# KiCad board PDNode_Baseboard.kicad_pcb
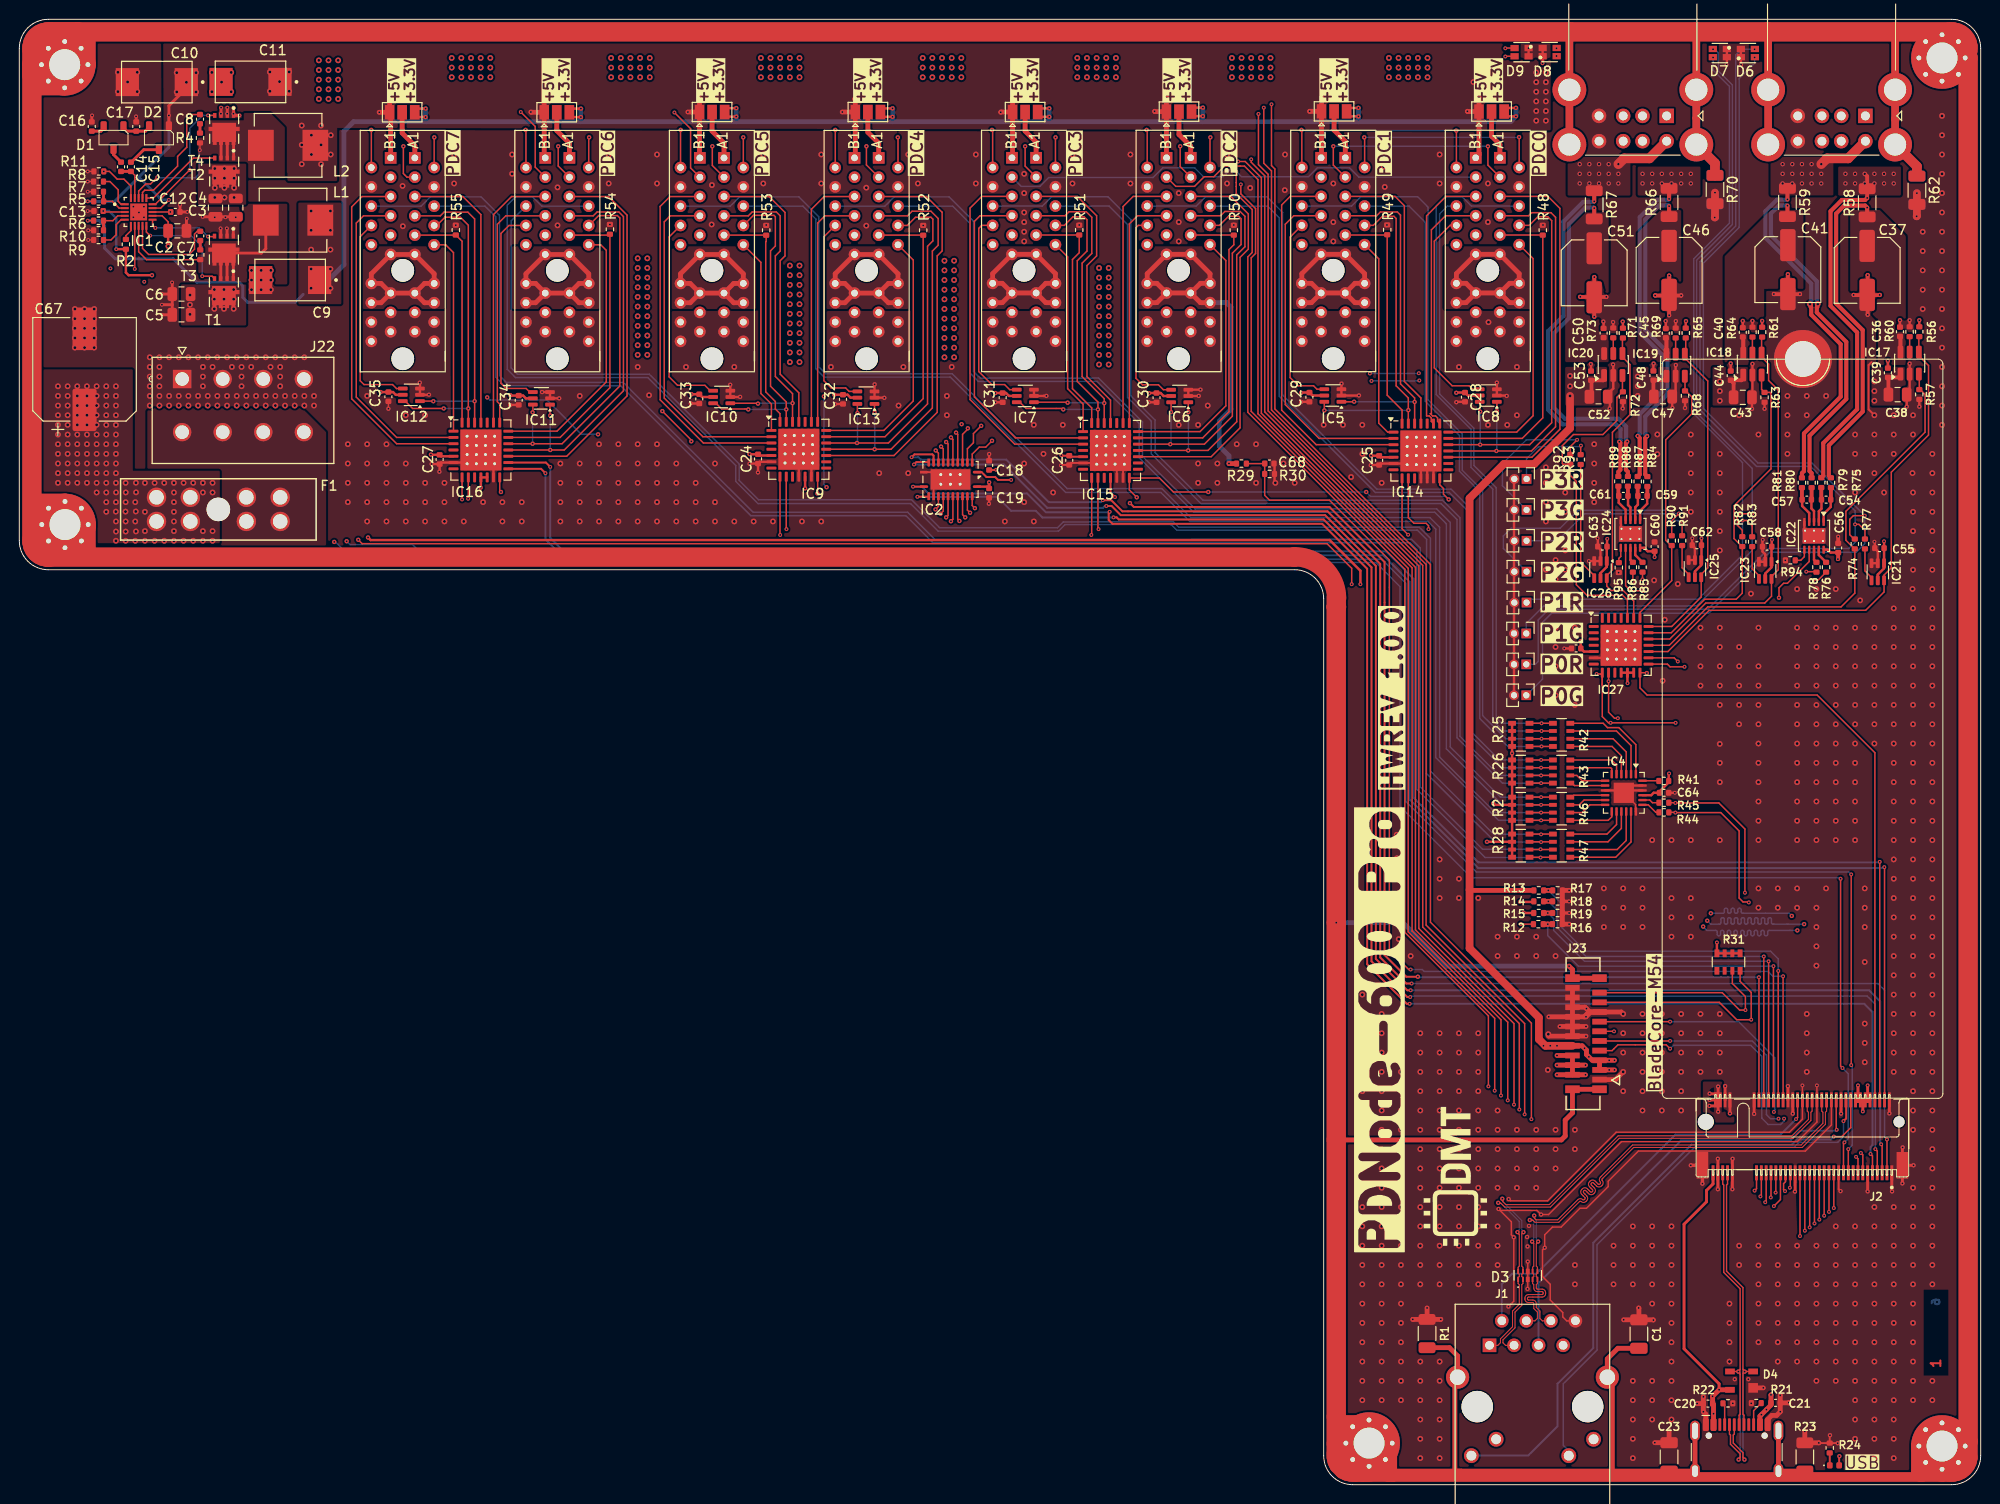
[diagram p0: board, top side]
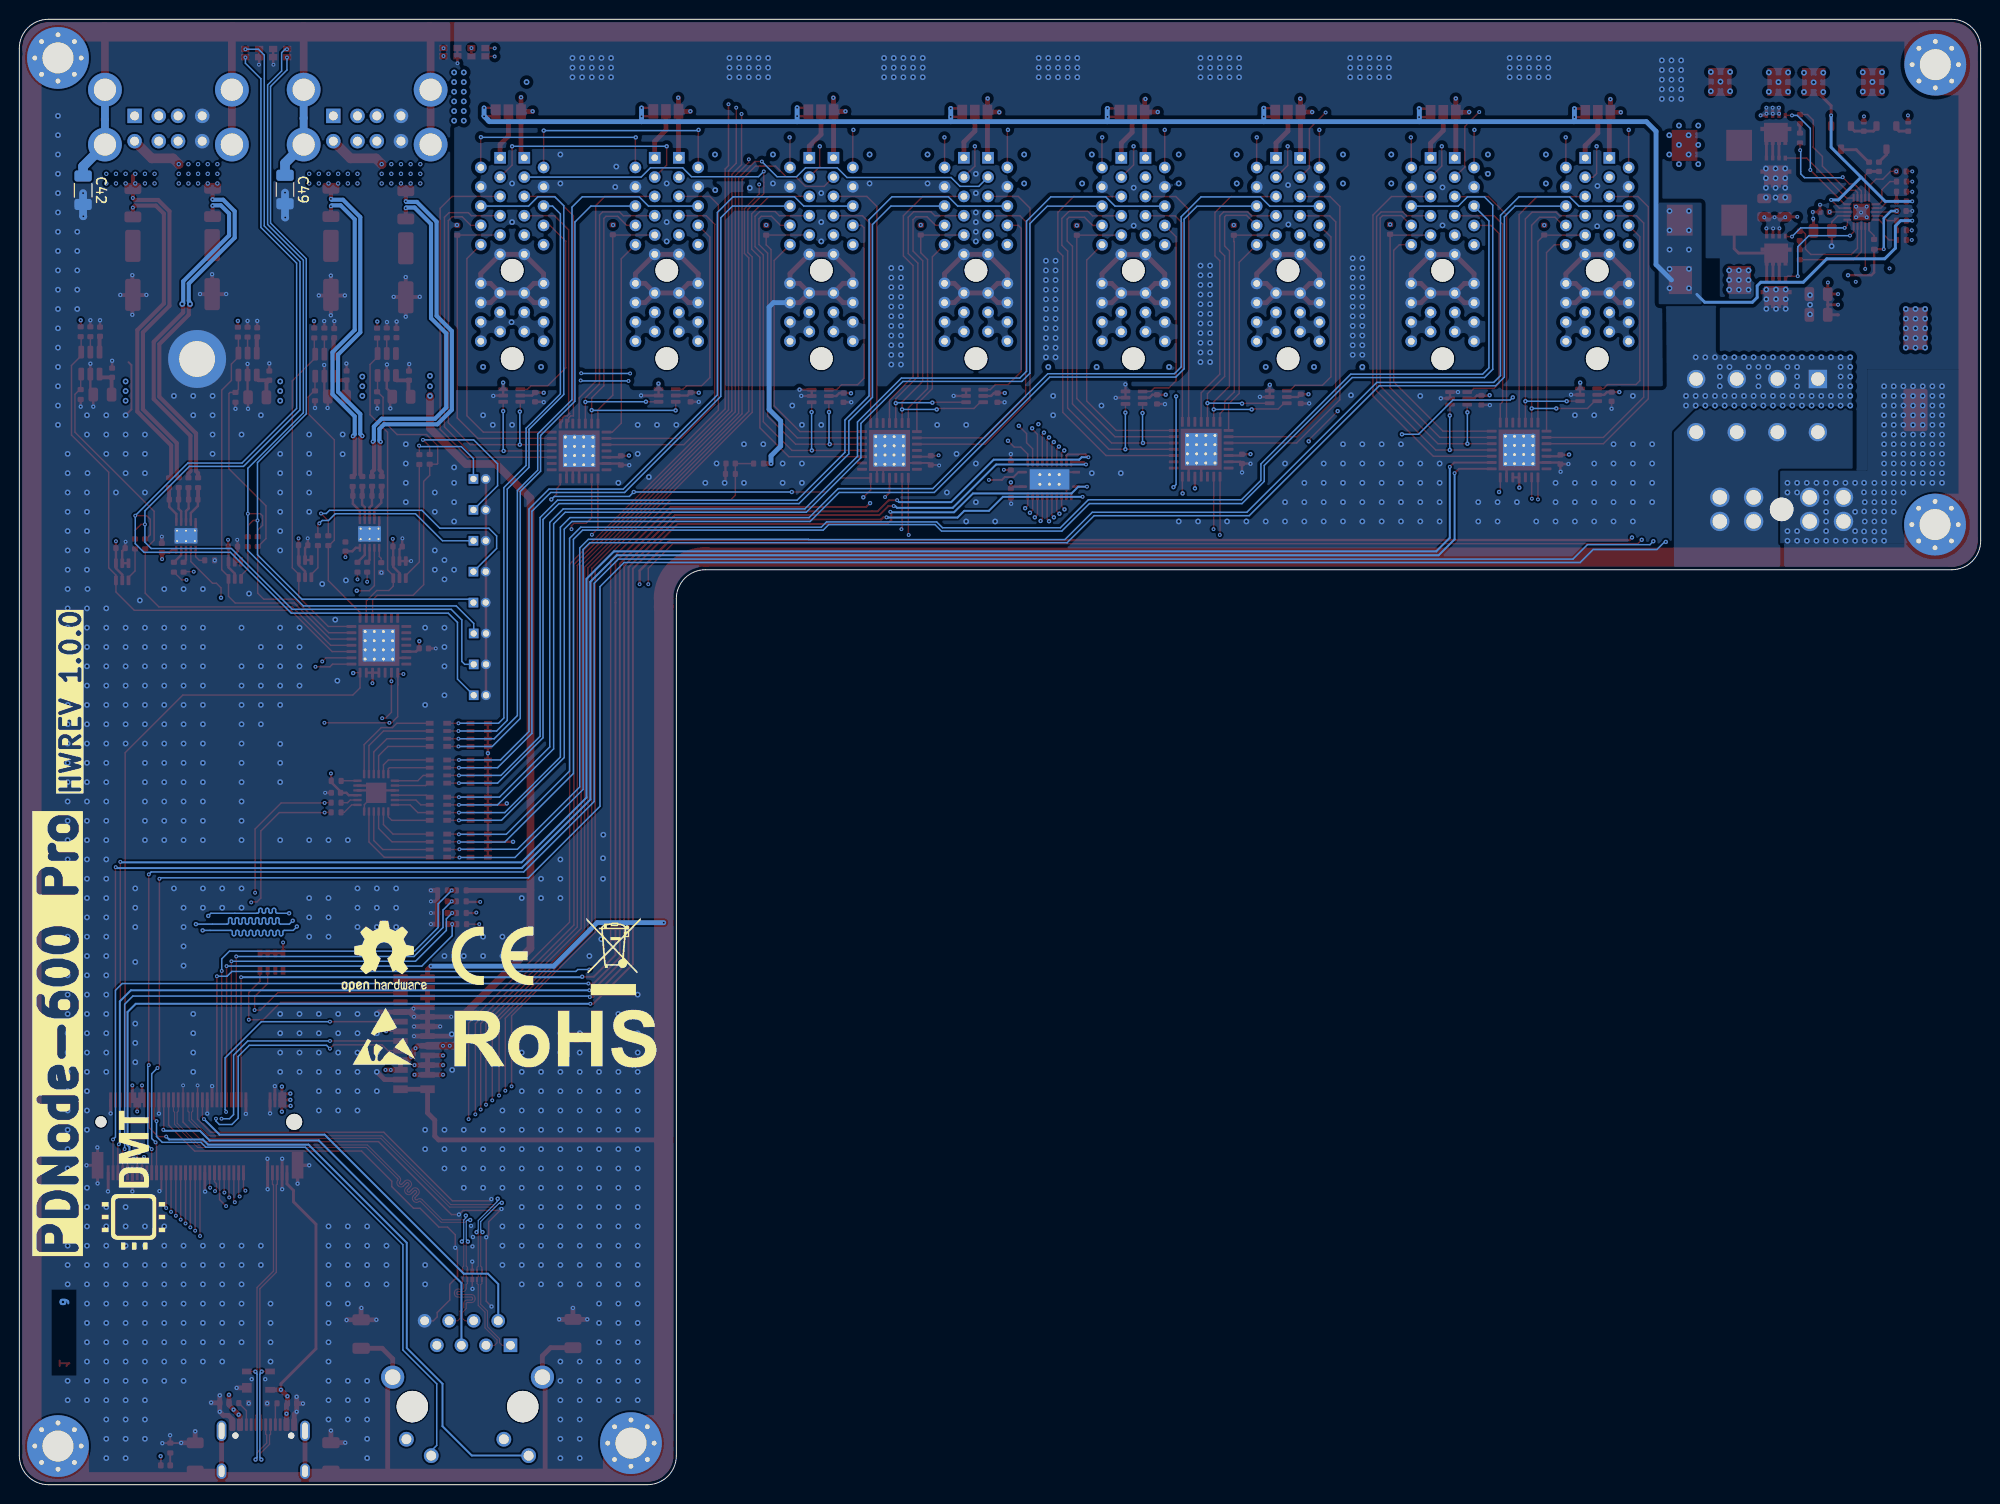
[diagram p1: board, bottom side, seen from below]

Outline 203 x 151.75 mm; copper layers: F.Cu (SIG), In1.Cu (GND) (plane), In2.Cu (SIG), In3.Cu (PWR) (plane), In4.Cu (GND) (plane), B.Cu (SIG). Coordinates in mm from the lower left corner of the outline.
Outline path: 0,148.75 0,97.75 arc(0.88,95.63) 3,94.75 132,94.75 arc(134.12,93.87) 135,91.75 135,3 arc(135.88,0.88) 138,0 200,0 arc(202.12,0.88) 203,3 203,148.75 arc(202.12,150.87) 200,151.75 3,151.75 arc(0.88,150.87) 0,148.75
Stack: F.Cu (SIG) 0.035mm / dielectric 0.0994mm 3313 RC57% 4.2mil er 4.1 / In1.Cu (GND) 0.0152mm / dielectric 0.55mm 0.55mm H/Hwithout copper er 4.41 / In2.Cu (SIG) 0.0152mm / dielectric 0.1088mm 2116 RC54% 4.9mil er 4.16 / In3.Cu (PWR) 0.0152mm / dielectric 0.55mm 0.55mm H/Hwithout copper er 4.41 / In4.Cu (GND) 0.0152mm / dielectric 0.0994mm 3313 RC57% 4.2mil er 4.1 / B.Cu (SIG) 0.035mm

## Placement (name value [footprint] x y rotation side)
C1  1nF 2kV  [C_1206_3216Metric]  167.62 15.6 270 top
C2  10uF 50V  [C_0805_2012Metric]  16.35 129.85 0 top
C3  10uF 50V  [C_0805_2012Metric]  22.4 132.25 270 top
C4  10uF 50V  [C_0805_2012Metric]  20.3 132.25 270 top
C5  10uF 50V  [C_0805_2012Metric]  16.78 121.15 180 top
C6  10uF 50V  [C_0805_2012Metric]  16.78 123.3 180 top
C7  100nF 50V  [C_0402_1005Metric]  18.72 129.32 270 top
C8  100nF 50V  [C_0402_1005Metric]  18.7 141.41 270 top
C9  470uF 4V  [2917]  28.03 124.75 180 top
C10  330uF 6.3V  [2917]  14.23 145.25 180 top
C11  330uF 6.3V  [2917]  23.93 145.27 180 top
C12  2.2uF 25V  [C_0402_1005Metric]  16.15 131.8 0 top
C13  2.2uF 25V  [C_0402_1005Metric]  8.2 131.9 180 top
C14  100nF 50V  [C_0402_1005Metric]  10.53 136.48 90 top
C15  100nF 50V  [C_0402_1005Metric]  11.55 136.48 90 top
C16  100nF 50V  [C_0402_1005Metric]  7.5 140.65 90 top
C17  100nF 50V  [C_0402_1005Metric]  12.1 140.65 90 top
C18  4.7uF 25V  [C_0402_1005Metric]  100.38 105.56 90 top
C19  100nF 50V  [C_0402_1005Metric]  100.38 102.68 270 top
C20  4.7uF 25V  [C_0402_1005Metric]  174.77 8.4 180 top
C21  4.7uF 25V  [C_0402_1005Metric]  181.77 8.47 0 top
C23  1nF 2kV  [C_1206_3216Metric]  170.75 2.88 90 top
C24  100nF 50V  [C_0402_1005Metric]  76.46 106.22 270 top
C25  100nF 50V  [C_0402_1005Metric]  140.74 106.08 270 top
C26  100nF 50V  [C_0402_1005Metric]  108.67 106.08 270 top
C27  100nF 50V  [C_0402_1005Metric]  43.5 106.17 270 top
C28  100nF 50V  [C_0402_1005Metric]  149.62 112.62 270 top
C29  100nF 50V  [C_0402_1005Metric]  133.52 112.62 270 top
C30  100nF 50V  [C_0402_1005Metric]  117.7 112.57 270 top
C31  100nF 50V  [C_0402_1005Metric]  101.77 112.57 270 top
C32  100nF 50V  [C_0402_1005Metric]  85.25 112.39 270 top
C33  100nF 50V  [C_0402_1005Metric]  70.38 112.45 270 top
C34  100nF 50V  [C_0402_1005Metric]  51.69 112.3 270 top
C35  100nF 50V  [C_0402_1005Metric]  38.2 112.67 270 top
C36  100nF 50V  [C_0402_1005Metric]  194.65 119.4 90 top
C37  100uF 25V  [C_Elec_6.3x7.7]  191.25 125.75 270 top
C38  10uF 50V  [C_0805_2012Metric]  194.4 112.89 0 top
C39  100nF 50V  [C_0402_1005Metric]  193.4 115.15 90 top
C40  100nF 50V  [C_0402_1005Metric]  178.38 119.33 90 top
C41  100uF 25V  [C_Elec_6.3x7.7]  183.05 125.83 270 top
C42  1nF 2kV  [C_1206_3216Metric]  196.4 134.05 270 bottom
C43  10uF 50V  [C_0805_2012Metric]  178.38 112.6 0 top
C44  100nF 50V  [C_0402_1005Metric]  177.13 114.85 90 top
C45  100nF 50V  [C_0402_1005Metric]  170.41 119.25 90 top
C46  100uF 25V  [C_Elec_6.3x7.7]  170.75 125.75 270 top
C47  10uF 50V  [C_0805_2012Metric]  170.13 112.68 0 top
C48  100nF 50V  [C_0402_1005Metric]  169.13 114.86 90 top
C49  1nF 2kV  [C_1206_3216Metric]  175.5 134.12 270 bottom
C50  100nF 50V  [C_0402_1005Metric]  163.97 119.27 90 top
C51  100uF 25V  [C_Elec_6.3x7.7]  163 125.5 270 top
C52  10uF 50V  [C_0805_2012Metric]  163.45 112.67 0 top
C53  100nF 50V  [C_0402_1005Metric]  162.67 114.85 90 top
C54  10nF 50V  [C_0402_1005Metric]  187 102.01 180 top
C55  100nF 50V  [C_0402_1005Metric]  192.52 96.99 180 top
C56  100nF 50V  [C_0402_1005Metric]  188.25 97.01 90 top
C57  10nF 50V  [C_0402_1005Metric]  185 102.01 180 top
C58  100nF 50V  [C_0402_1005Metric]  180.89 97.14 180 top
C59  10nF 50V  [C_0402_1005Metric]  168 102.39 180 top
C60  100nF 50V  [C_0402_1005Metric]  169.25 97.14 90 top
C61  10nF 50V  [C_0402_1005Metric]  166.02 102.39 180 top
C62  100nF 50V  [C_0402_1005Metric]  173.62 97.29 180 top
C63  100nF 50V  [C_0402_1005Metric]  163.85 97.15 180 top
C64  100nF 50V  [C_0402_1005Metric]  170.23 71.65 0 top
C65  100nF 50V  [C_0402_1005Metric]  161.13 86.6 180 top
C67  330uF 50V  [CP_Elec_10x10.5]  6.75 115.5 90 top
C68  100nF 50V  [C_0402_1005Metric]  129.38 105.75 0 top
D1  BAT54S  [SOT23-3]  9.75 139.25 270 top
D2  BAT54S  [SOT23-3]  14.45 139.25 270 top
D3  TPD4EUSB30DQAR  [USON10_2.5x1]  156.12 21.68 90 top
D4  SP0503BAHTG  [SOT143]  178.25 10.78 90 top
D5  Blue  [LED_0402_1005Metric]  187.87 2 0 top
D6  Red-Green  [LED_0605-1613]  178.9 148.25 0 top
D7  Red-Green  [LED_0605-1613]  176 148.25 180 top
D8  Red-Green  [LED_0605-1613]  158.39 148.36 0 top
D9  Red-Green  [LED_0605-1613]  155.48 148.35 180 top
F1  0ATO030.VP  [178.6165.0001-Littelfuse]  14.2 102.25 180 top
H1  MountingHole_Pad  [MountingHole_3.2mm_M3_Pad_Via]  199 147.75 0 top
H2  MountingHole_Pad  [MountingHole_3.2mm_M3_Pad_Via]  4.7 147.05 0 top
H3  MountingHole_Pad  [MountingHole_3.2mm_M3_Pad_Via]  139.7 4.3 0 top
H4  MountingHole_Pad  [MountingHole_3.2mm_M3_Pad_Via]  199 4 0 top
H5  MountingHole_Pad  [MountingHole_3.2mm_M3_Pad_Via]  4.72 99.42 0 top
IC1  TPS51225CRUKR  [QFN20-3x3]  12.3 131.85 0 top
IC2  CD74HC4067QRGYRQ1  [Texas_RGY_R-PVQFN-N24_EP2.05x3.1mm_ThermalVias]  96.38 104.11 270 top
IC4  TCA9548ARGER  [Texas_RGE0024C_VQFN-24-1EP_4x4mm_P0.5mm_EP2.1x2.1mm]  166.06 71.65 270 top
IC5  SN74LVC1G97QDCKRQ1  [SOT-363_SC-70-6]  135.95 112.79 180 top
IC6  SN74LVC1G97QDCKRQ1  [SOT-363_SC-70-6]  120.1 112.74 180 top
IC7  SN74LVC1G97QDCKRQ1  [SOT-363_SC-70-6]  104.12 112.75 180 top
IC8  SN74LVC1G97QDCKRQ1  [SOT-363_SC-70-6]  152.04 112.79 180 top
IC9  MCP23017T-E/ML  [QFN-28-1EP_6x6mm_P0.65mm_EP4.25x4.25mm_ThermalVias]  80.68 107.22 0 top
IC10  SN74LVC1G97QDCKRQ1  [SOT-363_SC-70-6]  72.7 112.64 180 top
IC11  SN74LVC1G97QDCKRQ1  [SOT-363_SC-70-6]  54.04 112.5 180 top
IC12  SN74LVC1G97QDCKRQ1  [SOT-363_SC-70-6]  40.58 112.86 180 top
IC13  SN74LVC1G97QDCKRQ1  [SOT-363_SC-70-6]  87.62 112.57 180 top
IC14  MCP23017T-E/ML  [QFN-28-1EP_6x6mm_P0.65mm_EP4.25x4.25mm_ThermalVias]  145.06 107.05 0 top
IC15  MCP23017T-E/ML  [QFN-28-1EP_6x6mm_P0.65mm_EP4.25x4.25mm_ThermalVias]  112.94 107.11 0 top
IC16  MCP23017T-E/ML  [QFN-28-1EP_6x6mm_P0.65mm_EP4.25x4.25mm_ThermalVias]  47.77 107.15 0 top
IC17  AP22653W6-7  [SOT-23-6]  195.65 116.15 90 top
IC18  AP22653W6-7  [SOT-23-6]  179.37 116.05 90 top
IC19  AP22653W6-7  [SOT-23-6]  171.43 115.93 90 top
IC20  AP22653W6-7  [SOT-23-6]  164.97 116 90 top
IC21  SN74LVC1G97QDCKRQ1  [SOT-363_SC-70-6]  192.35 94.54 270 top
IC22  PAC1720-1-AIA-TR  [DFN-10-1EP_3x3mm_P0.5mm_EP1.58x2.35mm_ThermalVias]  185.75 98.26 270 top
IC23  SN74LVC1G97QDCKRQ1  [SOT-363_SC-70-6]  180.7 94.69 270 top
IC24  PAC1720-1-AIA-TR  [DFN-10-1EP_3x3mm_P0.5mm_EP1.58x2.35mm_ThermalVias]  166.75 98.46 270 top
IC25  SN74LVC1G97QDCKRQ1  [SOT-363_SC-70-6]  173.43 94.86 270 top
IC26  SN74LVC1G97QDCKRQ1  [SOT-363_SC-70-6]  163.65 94.76 270 top
IC27  MCP23017T-E/ML  [QFN-28-1EP_6x6mm_P0.65mm_EP4.25x4.25mm_ThermalVias]  165.79 86.92 0 top
J1  -  [J1B1211CCD]  156.61 8.09 0 top
J2  MDT580M01001  [BladeCore-M54E-5.8mm]  184.55 33.97 0 top
J3  USB-TYPE-C-018  [USB_C_Receptacle_HCTL_HC-TYPE-C-16P-01A]  177.75 2.47 0 top
J4  10018784-10200TLF  [AMPHENOL_10018784-10210TLF]  151.99 125.76 270 top
J5  10018784-10200TLF  [AMPHENOL_10018784-10210TLF]  135.99 125.76 270 top
J6  10018784-10200TLF  [AMPHENOL_10018784-10210TLF]  119.99 125.76 270 top
J7  10018784-10200TLF  [AMPHENOL_10018784-10210TLF]  103.99 125.76 270 top
J8  10018784-10200TLF  [AMPHENOL_10018784-10210TLF]  87.69 125.75 270 top
J9  10018784-10200TLF  [AMPHENOL_10018784-10210TLF]  71.68 125.75 270 top
J10  10018784-10200TLF  [AMPHENOL_10018784-10210TLF]  55.68 125.75 270 top
J11  10018784-10200TLF  [AMPHENOL_10018784-10210TLF]  39.68 125.75 270 top
J12  AF SS-JB17.6  [USB_A_Horizontal_Stacked]  191.07 141.75 270 top
J13  AF SS-JB17.6  [USB_A_Horizontal_Stacked]  170.5 141.75 270 top
J14  Conn_01x02  [PinHeader_1x02_P1.27mm_Vertical]  155.97 81.75 270 top
J15  Conn_01x02  [PinHeader_1x02_P1.27mm_Vertical]  155.97 84.95 270 top
J16  Conn_01x02  [PinHeader_1x02_P1.27mm_Vertical]  155.97 88.15 270 top
J17  Conn_01x02  [PinHeader_1x02_P1.27mm_Vertical]  156 91.35 270 top
J18  Conn_01x02  [PinHeader_1x02_P1.27mm_Vertical]  156 94.55 270 top
J19  Conn_01x02  [PinHeader_1x02_P1.27mm_Vertical]  156 97.75 270 top
J20  Conn_01x02  [PinHeader_1x02_P1.27mm_Vertical]  156 100.95 270 top
J21  Conn_01x02  [PinHeader_1x02_P1.27mm_Vertical]  156 104.15 270 top
J22  1724470208  [MOLEX_1724470208]  16.85 114.5 180 top
J23  0525592052  [CON_525592052_MOL]  162.15 46.7 90 top
JP1  SolderJumper_3_Open  [SolderJumper-3_P1.3mm_Open_Pad1.0x1.5mm]  152.38 142.2 0 top
JP2  SolderJumper_3_Open  [SolderJumper-3_P1.3mm_Open_Pad1.0x1.5mm]  136.07 142.22 0 top
JP3  SolderJumper_3_Open  [SolderJumper-3_P1.3mm_Open_Pad1.0x1.5mm]  120.02 142.19 0 top
JP4  SolderJumper_3_Open  [SolderJumper-3_P1.3mm_Open_Pad1.0x1.5mm]  104.1 142.15 0 top
JP5  SolderJumper_3_Open  [SolderJumper-3_P1.3mm_Open_Pad1.0x1.5mm]  87.82 142.15 0 top
JP6  SolderJumper_3_Open  [SolderJumper-3_P1.3mm_Open_Pad1.0x1.5mm]  71.7 142.15 0 top
JP7  SolderJumper_3_Open  [SolderJumper-3_P1.3mm_Open_Pad1.0x1.5mm]  55.62 142.12 0 top
JP8  SolderJumper_3_Open  [SolderJumper-3_P1.3mm_Open_Pad1.0x1.5mm]  39.62 142.12 0 top
L1  2.2uH 9.5A  [7x6.6mm]  28.33 130.95 0 top
L2  3.3uH 13A  [7x6.6mm]  27.82 138.7 180 top
R1  1M 1%  [R_1206_3216Metric]  145.7 15.65 270 top
R2  10K 1%  [R_0402_1005Metric]  11.03 128.45 90 top
R3  2.2R 1%  [R_0402_1005Metric]  18.72 127.37 270 top
R4  2.2R 1%  [R_0402_1005Metric]  18.7 139.46 270 top
R5  15.4K 1%  [R_0402_1005Metric]  8.21 132.9 0 top
R6  6.57K 0.1%  [R_0402_1005Metric]  8.2 130.9 0 top
R7  10K 1%  [R_0402_1005Metric]  8.2 133.9 180 top
R8  51K 1%  [R_0402_1005Metric]  8.2 134.95 180 top
R9  47K 1%  [R_0402_1005Metric]  8.2 128.9 180 top
R10  10K 1%  [R_0402_1005Metric]  8.2 129.9 180 top
R11  10K 1%  [R_0402_1005Metric]  8.23 136 180 top
R12  10K 1%  [R_0402_1005Metric]  157.22 58.05 0 top
R13  10K 1%  [R_0402_1005Metric]  157.26 61.54 0 top
R14  10K 1%  [R_0402_1005Metric]  157.26 60.41 0 top
R15  10K 1%  [R_0402_1005Metric]  157.25 59.2 0 top
R16  10K 1%  [R_0402_1005Metric]  159.19 58.05 0 top
R17  10K 1%  [R_0402_1005Metric]  159.21 61.54 0 top
R18  10K 1%  [R_0402_1005Metric]  159.21 60.41 0 top
R19  10K 1%  [R_0402_1005Metric]  159.21 59.2 0 top
R21  5.1K 1%  [R_0402_1005Metric]  179.77 8.45 180 top
R22  5.1K 1%  [R_0402_1005Metric]  176.84 8.43 0 top
R23  1M 1%  [R_1206_3216Metric]  184.8 2.88 90 top
R24  1K 1%  [R_0402_1005Metric]  187.38 3.8 270 top
R25  2.2K 5%  [R_Array_Convex_4x0603]  155.4 77.65 180 top
R26  2.2K 5%  [R_Array_Convex_4x0603]  155.4 73.85 180 top
R27  2.2K 5%  [R_Array_Convex_4x0603]  155.4 70 180 top
R28  2.2K 5%  [R_Array_Convex_4x0603]  155.4 66.17 180 top
R29  51K 1%  [R_0402_1005Metric]  126.49 105.74 0 top
R30  5.1K 1%  [R_0402_1005Metric]  129.4 104.67 0 top
R31  2.2K 5%  [R_Array_Convex_4x0603]  176.9 54.12 90 top
R41  4.7K 1%  [R_0402_1005Metric]  170.2 72.88 180 top
R42  100R 1%  [R_Array_Convex_4x0603]  159.62 77.65 0 top
R43  100R 1%  [R_Array_Convex_4x0603]  159.62 73.85 0 top
R44  33R 1%  [R_0402_1005Metric]  170.21 70.62 180 top
R45  33R 1%  [R_0402_1005Metric]  170.21 69.62 0 top
R46  100R 1%  [R_Array_Convex_4x0603]  159.62 70 0 top
R47  100R 1%  [R_Array_Convex_4x0603]  159.62 66.17 0 top
R48  10K 1%  [R_0402_1005Metric]  157.68 129.91 90 top
R49  10K 1%  [R_0402_1005Metric]  141.57 129.95 90 top
R50  10K 1%  [R_0402_1005Metric]  125.7 129.91 90 top
R51  10K 1%  [R_0402_1005Metric]  109.7 129.93 90 top
R52  10K 1%  [R_0402_1005Metric]  93.55 129.9 90 top
R53  10K 1%  [R_0402_1005Metric]  77.3 129.9 90 top
R54  10K 1%  [R_0402_1005Metric]  61.12 130 90 top
R55  10K 1%  [R_0402_1005Metric]  45.18 129.93 90 top
R56  4.7K 1%  [R_0402_1005Metric]  196.65 119.4 270 top
R57  4.7K 1%  [R_0402_1005Metric]  196.65 112.9 270 top
R58  0.02R 1%  [R_1206_3216Metric]  191.25 132.75 90 top
R59  0.02R 1%  [R_1206_3216Metric]  183 132.79 270 top
R60  33.2K 1%  [R_0402_1005Metric]  195.65 119.4 90 top
R61  4.7K 1%  [R_0402_1005Metric]  180.38 119.35 270 top
R62  1M 1%  [R_1206_3216Metric]  196.4 134.05 270 top
R63  4.7K 1%  [R_0402_1005Metric]  180.63 112.6 270 top
R64  33.2K 1%  [R_0402_1005Metric]  179.38 119.35 90 top
R65  4.7K 1%  [R_0402_1005Metric]  172.47 119.27 270 top
R66  0.02R 1%  [R_1206_3216Metric]  170.75 132.79 90 top
R67  0.02R 1%  [R_1206_3216Metric]  163 132.54 270 top
R68  4.7K 1%  [R_0402_1005Metric]  172.4 112.76 270 top
R69  33.2K 1%  [R_0402_1005Metric]  171.43 119.26 90 top
R70  1M 1%  [R_1206_3216Metric]  175.5 134.12 270 top
R71  4.7K 1%  [R_0402_1005Metric]  165.97 119.26 270 top
R72  4.7K 1%  [R_0402_1005Metric]  165.97 112.67 270 top
R73  33.2K 1%  [R_0402_1005Metric]  164.97 119.28 90 top
R74  1K 1%  [R_0402_1005Metric]  189.97 97.42 90 top
R75  100R 1%  [R_0402_1005Metric]  187.5 103.76 90 top
R76  33R 1%  [R_0402_1005Metric]  187 95.01 270 top
R77  1K 1%  [R_0402_1005Metric]  191.02 97.42 90 top
R78  33R 1%  [R_0402_1005Metric]  186 95.01 90 top
R79  100R 1%  [R_0402_1005Metric]  186.5 103.77 90 top
R80  100R 1%  [R_0402_1005Metric]  185.5 103.76 90 top
R81  100R 1%  [R_0402_1005Metric]  184.5 103.76 90 top
R82  1K 1%  [R_0402_1005Metric]  178.32 97.66 90 top
R83  1K 1%  [R_0402_1005Metric]  179.35 97.65 90 top
R84  100R 1%  [R_0402_1005Metric]  168.5 103.89 90 top
R85  33R 1%  [R_0402_1005Metric]  168 95.01 270 top
R86  33R 1%  [R_0402_1005Metric]  167 95.01 90 top
R87  100R 1%  [R_0402_1005Metric]  167.5 103.89 90 top
R88  100R 1%  [R_0402_1005Metric]  166.49 103.91 90 top
R89  100R 1%  [R_0402_1005Metric]  165.5 103.91 90 top
R90  1K 1%  [R_0402_1005Metric]  171.02 97.76 90 top
R91  1K 1%  [R_0402_1005Metric]  172.1 97.76 90 top
R92  1K 1%  [R_0402_1005Metric]  160.52 106.19 90 top
R93  1K 1%  [R_0402_1005Metric]  161.6 106.16 90 top
R94  100R 1%  [R_0402_1005Metric]  183.3 95.72 0 top
R95  100R 1%  [R_0402_1005Metric]  165.55 94.97 90 top  (not fitted)
REF**  -  [LayerMarker_6_8.89x2.54mm_TextH1mm_P1.27mm]  199.64 12.57 90 top
REF**#2  -  [ESD-Logo_6.6x6mm_SilkScreen]  165.25 46.45 180 bottom
REF**#3  -  [CE-Logo_8.5x6mm_SilkScreen]  154.02 54.78 180 bottom
REF**#4  -  [OSHW-Logo2_9.8x8mm_SilkScreen]  165.25 54.7 180 bottom
REF**#5  -  [WEEE-Logo_5.6x8mm_SilkScreen]  141.5 54.7 180 bottom
REF**#6  -  [RoHS-Logo_6mm_SilkScreen]  147.5 46.2 180 bottom
ST1  M2.5  [Round Standoff Threaded M2.5 Steel]  184.6 116.58 0 top
T1  FDMC7692  [DFN8_3x3]  21.18 123.14 270 top
T2  FDMC7692  [DFN8_3x3]  21.2 135.62 270 top
T3  FDMC7672  [DFN8_3x3]  21.18 127.54 270 top
T4  FDMC7672  [DFN8_3x3]  21.2 140.04 270 top

## Library data of the parts
C1 C23 C42 C49 = -: Description: Chip Capacitor (MLCC) 1206 1nF ±10% 2KV X7R; FOOTPRINT_SHORT: 1206; ROHS: YES; LCSC_PART: C173242; MFR: Johanson Dielectrics
C2-C6 C38 C43 C47 C52 = -: Description: 50V 10uF X5R ±10% 0805 Multilayer Ceramic Capacitors MLCC - SMD/SMT ROHS; FOOTPRINT_SHORT: 0805; ROHS: YES; LCSC_PART: C440198
C7 C8 C14-C17 C19 C24-C36 C39 C40 C44 C45 C48 C50 C53 C55 C56 C58 C60 C62-C65 C68 = -: Description: 50V 100nF X7R ±10% 0402 Multilayer Ceramic Capacitors MLCC - SMD/SMT ROHS; FOOTPRINT_SHORT: 0402; ROHS: YES; LCSC_PART: C307331
C9 = -: Datasheet: https://industrial.panasonic.com/cdbs/www-data/pdf/AAA8000/AAA8000C36.pdf; Description: -55°C~+105°C 18mΩ@100kHz 470uF 4V ±20% 2917 Tantalum Capacitors ROHS; LCSC_PART: C542275; ROHS: YES; MPN: 4TPE470MIL
C10 C11 = -: Datasheet: https://industrial.panasonic.com/cdbs/www-data/pdf/AAA8000/AAA8000C36.pdf; Description: -55°C~+105°C 18mΩ@100kHz 330uF 6.3V ±20% - Tantalum Capacitors ROHS; LCSC_PART: C134173; ROHS: YES; MPN: 6TPE330MIL
C12 C13 = -: Description: 25V 2.2uF X5R ±10% 0402 Multilayer Ceramic Capacitors MLCC - SMD/SMT ROHS; FOOTPRINT_SHORT: 0402; ROHS: YES; LCSC_PART: C385032
C18 C20 C21 = -: Description: 25V 4.7uF X5R ±20% 0402 Multilayer Ceramic Capacitors MLCC - SMD/SMT ROHS; FOOTPRINT_SHORT: 0402; ROHS: YES; LCSC_PART: C22367824; MFR: Murata
C37 C41 C46 C51 = -: Datasheet: https://jlcpcb.com/api/file/downloadByFileSystemAccessId/8588895761480495104; Description: 100uF 2000hrs@105°C 25V 6.3mm 7.7mm 93mA@120Hz ±20% SMD,D6.3xL7.7mm Aluminum Electrolytic Capacitors - SMD ROHS; MPN: RVT1E101M0607; MFR: ROQANG; ROHS: YES; LCSC_PART: C72477; LCSC_PRICE: EUR 0.0320
C54 C57 C59 C61 = -: Description: 50V 10nF X7R ±10% 0402 Multilayer Ceramic Capacitors MLCC - SMD/SMT ROHS; FOOTPRINT_SHORT: 0402; ROHS: YES; LCSC_PART: C60133
C67 = -: Datasheet: https://jlcpcb.com/api/file/downloadByFileSystemAccessId/8555567821597212672; Description: -55°C~+105°C 10.5mm 10mm 120mΩ@100kHz 2000hrs@105°C 330uF 50V 900mA@100kHz ±20% SMD,D10xL10.2mm Aluminum Electrolytic Capacitors - SMD ROHS; MPN: EEE-FT1H331AP; MFR: PANASONIC; ROHS: YES; LCSC_PART: C178596; LCSC_PRICE: EUR 0.6273; DIST1: https://www.digikey.at/en/products/detail/panasonic-electronic-components/eee-ft1h331ap/2652057; PPU1: EUR 1.17; DIST2: https://at.farnell.com/en-AT/panasonic/eeeft1h331ap/cap-330-f-50v-radial-smd/dp/1868428; PPU2: EUR 1.02
D1 D2 = -: Datasheet: https://diotec.com/request/datasheet/bat54.pdf; Description: 1 Pair Series Connection 200mA 2uA@30V 30V 400mV@10mA 600mA SOT-23 Schottky Diodes ROHS; LCSC_PART: C7420333; ROHS: YES
D3 = -: Datasheet: https://www.ti.com/lit/ds/symlink/tpd4eusb30.pdf; Description: 8V Clamp 1A (8/20µs) Ipp Tv; MFR: Texas Instruments; ROHS: YES; LCSC_PART: C5199222
D4 = -: Datasheet: https://www.littelfuse.com/assetdocs/tvs-diode-array-spasp050xba-lead-freegreen-datasheet?assetguid=15a03de1-f0c6-457a-95f1-55d449fdd756; Description: 10A@8/20us 14V 150W@8/20us 30pF SOT-143 ESD and Surge Protection (TVS/ESD) ROHS; MFR: TECH PUBLIC; LCSC_PART: C3040626; ROHS: YES
D5 = -: Datasheet: https://jlcpcb.com/api/file/downloadByFileSystemAccessId/8590921452453912577; Description: -40℃~+85℃ 120° 20mA 240mcd 3.3V 455nm~475nm 465nm 70mW Blue Discrete Diode Top-mount Water Clear 0402 LED Indication - Discrete ROHS; MPN: XL-1005UBC; MFR: XINGLIGHT; LCSC_PART: C22355736; ROHS: YES; Size: 0402
D6-D9 = -: Datasheet: https://jlcpcb.com/api/file/downloadByFileSystemAccessId/8588935362735443968; Description: -40°C~+85°C 120° 180mcd、1.2cd 2.4V、3.4V 20mA 50mW、70mW 520nm~530nm、620nm~630nm 525nm、625nm Common Anode Red, Emerald Green Top-mount Water Clear SMD-4P,1.6x1.5mm LED Indication - Discrete ROHS; MPN: XL-1615SURUGC; MFR: XINGLIGHT; LCSC_PART: C965839; ROHS: YES; Size: SMD-4P,1.6x1.5mm
F1 = -: Datasheet: https://www.farnell.com/datasheets/2078534.pdf; Description: 30 A 32 V 32 V Fuse Automotive Requires Holder Blade, ATO/ATC; MFR: Littelfuse Inc.; LCSC_PART: C207060; ROHS: YES; DIST1: https://www.digikey.at/en/products/detail/littelfuse-commercial-vehicle-products/178-6165-0001/2515815; ki_fp_filters: *polyfuse* *PTC*